# KiCad board Marble_Tiny.kicad_pcb (continued)
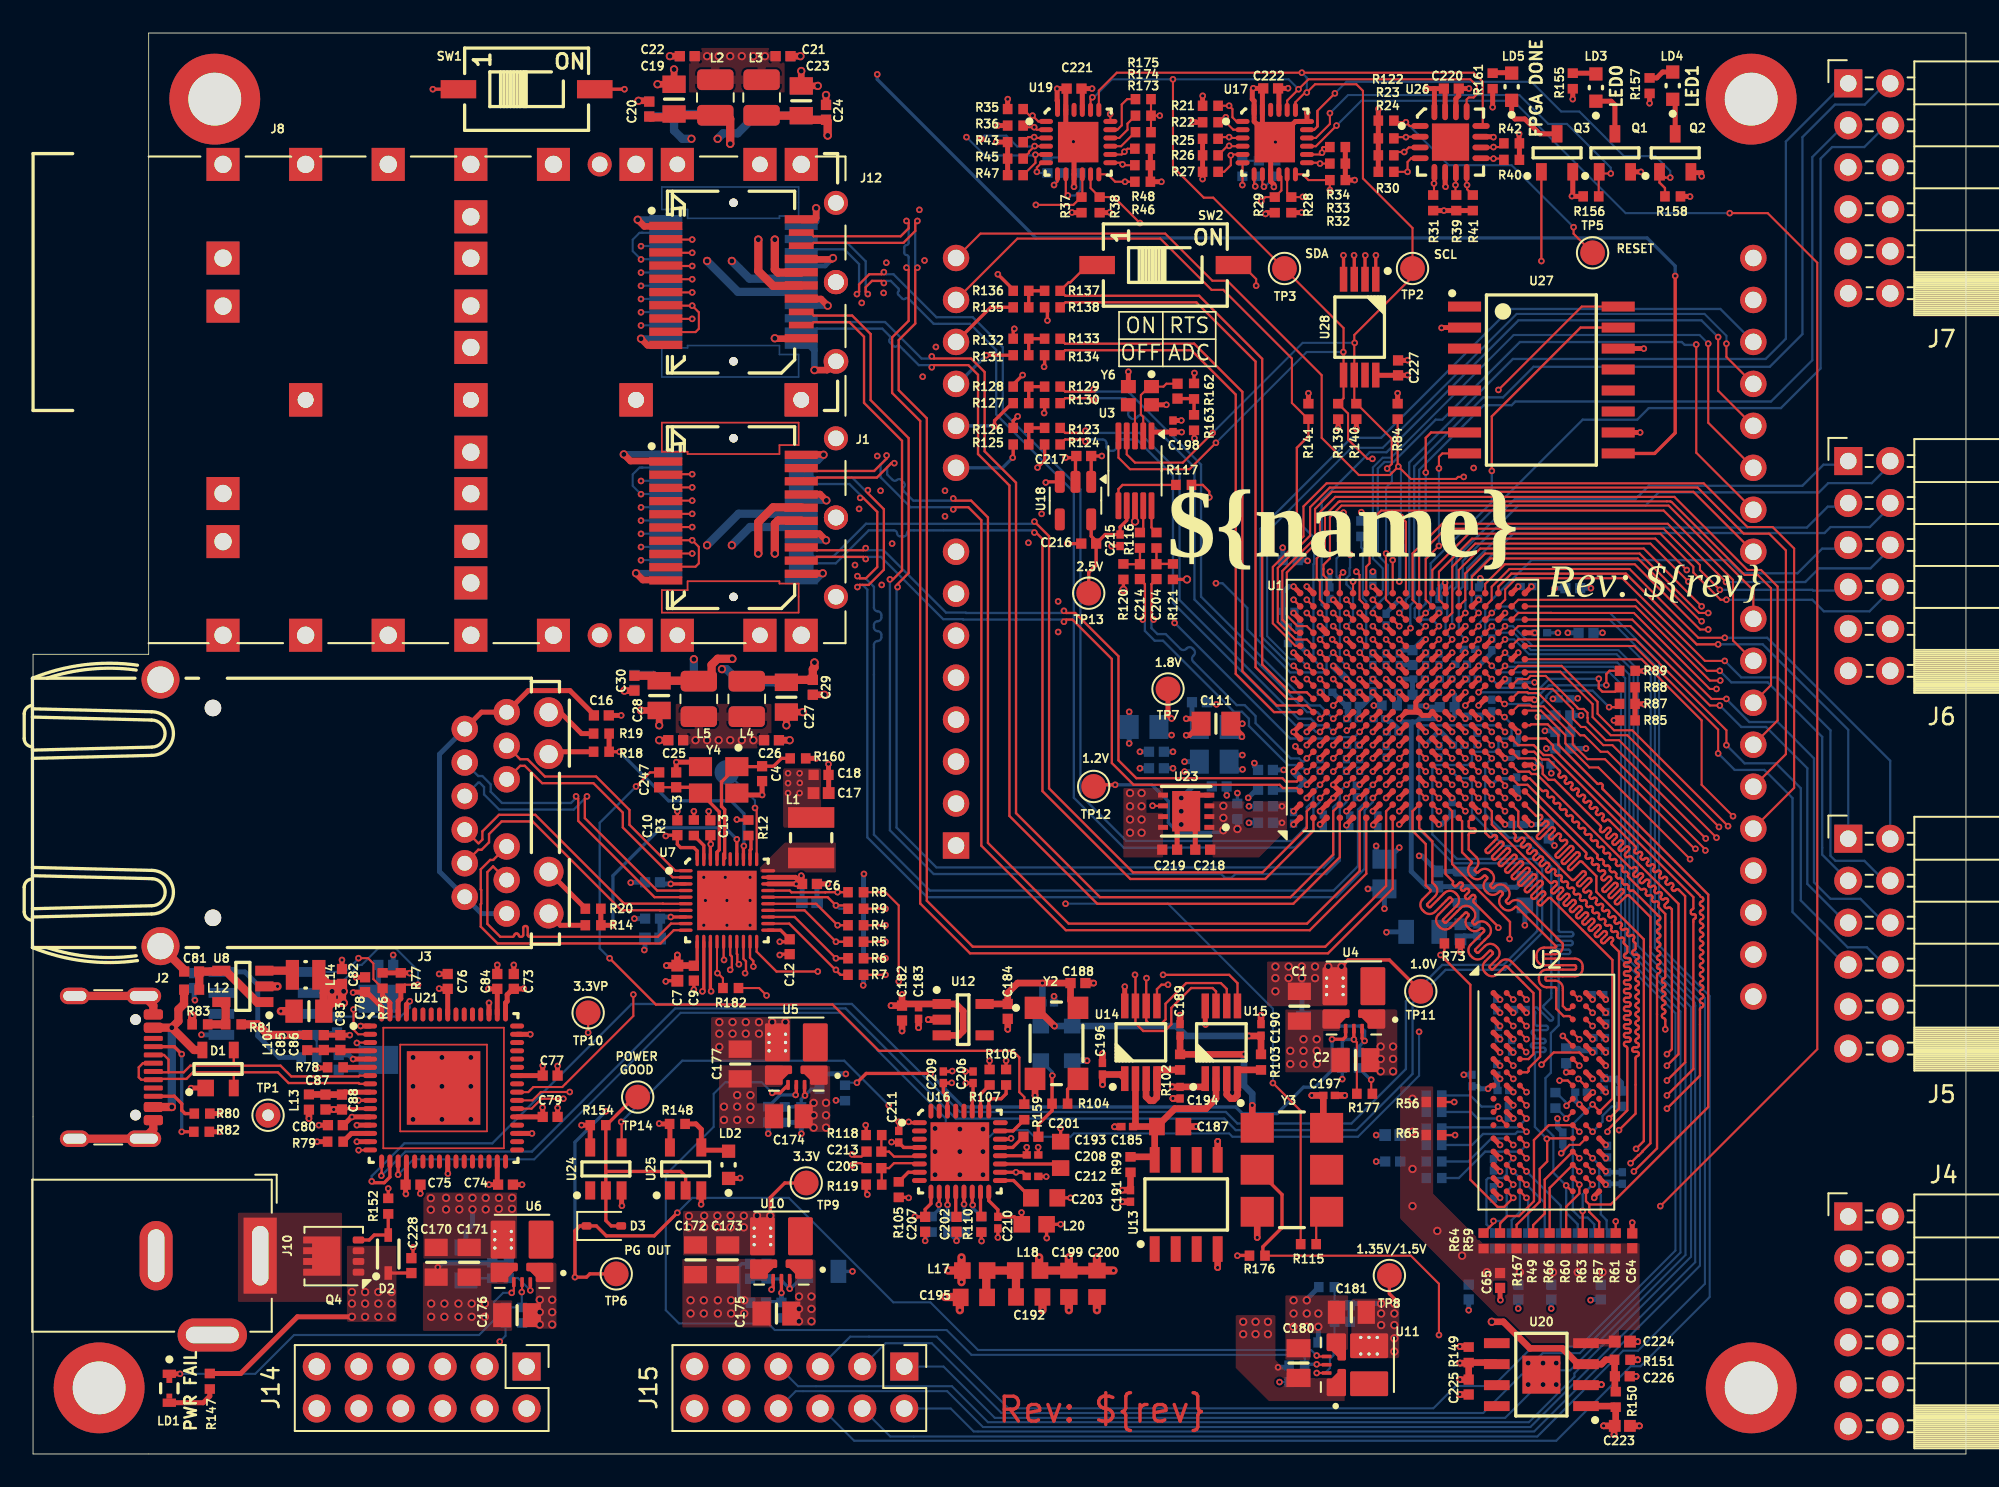
[diagram p0: board, top side]
## Routing (per net, layer and track width the routed paths; a pad name or vN(x,y) marks a point on that pad's centre or on a via; arc(x,y) is an arc through that point) (continued)
  In2.Cu w0.14: v1(95.4,20.3) 95,19.9 91.6,19.9 v1(90.4,18.7)
  Bottom w0.14: v1(90.4,18.7) 90,18.3 87.9,18.3 86.3,16.7 R53.1
DDR3_CAS: length 44
  Top w0.14: U1.T2 v1(89.1,38.9) ; U2.K3 v1(90.4,20.3)
  In5.Cu w0.13: v1(90.4,20.3) U2.K3 90,21.26 90.24,21.49 90.56,21.49 91.4,22.33 91.4,22.4 92.4,23.4 92.46,23.4 93.99,24.94 93.99,26.85 94.24,27.09 94.56,27.09 94.79,27.32 94.79,28.5 arc(94.82,28.57) 94.9,28.6 95.31,28.6 arc(95.38,28.63) 95.41,28.7 95.41,28.75 arc(95.38,28.83) 95.31,28.86 94.43,28.86 arc(94.35,28.89) 94.32,28.96 94.32,29.01 arc(94.35,29.08) 94.43,29.11 95.31,29.11 arc(95.38,29.14) 95.41,29.21 95.41,29.27 arc(95.38,29.34) 95.31,29.37 94.43,29.37 arc(94.35,29.4) 94.32,29.47 94.32,29.52 arc(94.35,29.6) 94.43,29.63 95.31,29.63 arc(95.38,29.66) 95.41,29.73 95.41,29.78 arc(95.38,29.85) 95.31,29.88 94.43,29.88 arc(94.35,29.91) 94.32,29.99 94.32,30.04 arc(94.35,30.11) 94.43,30.14 95.31,30.14 arc(95.38,30.17) 95.41,30.24 95.41,30.29 arc(95.38,30.37) 95.31,30.4 94.9,30.4 arc(94.82,30.43) 94.79,30.5 94.79,30.81 94.54,31.06 arc(94.51,31.13) 94.54,31.21 94.62,31.29 arc(94.65,31.36) 94.62,31.43 94.58,31.47 arc(94.51,31.5) 94.44,31.47 94.06,31.09 arc(93.99,31.06) 93.92,31.09 93.88,31.13 arc(93.85,31.2) 93.88,31.27 94.26,31.65 arc(94.29,31.72) 94.26,31.8 94.22,31.83 arc(94.15,31.86) 94.07,31.83 93.7,31.46 arc(93.62,31.43) 93.55,31.46 93.52,31.49 arc(93.49,31.56) 93.52,31.64 93.89,32.01 arc(93.92,32.09) 93.89,32.16 93.86,32.2 arc(93.78,32.23) 93.71,32.2 93.33,31.82 arc(93.26,31.79) 93.19,31.82 93.15,31.85 arc(93.12,31.93) 93.15,32 93.53,32.38 arc(93.56,32.45) 93.53,32.52 93.49,32.56 arc(93.42,32.59) 93.35,32.56 92.97,32.18 arc(92.9,32.15) 92.83,32.18 92.79,32.22 arc(92.76,32.29) 92.79,32.36 93.17,32.74 arc(93.2,32.81) 93.17,32.89 93.13,32.92 arc(93.06,32.95) 92.98,32.92 92.61,32.55 arc(92.53,32.52) 92.46,32.55 92.43,32.58 arc(92.4,32.65) 92.43,32.73 92.77,33.07 arc(92.8,33.14) 92.77,33.21 92.73,33.25 arc(92.66,33.28) 92.58,33.25 92.54,33.21 arc(92.47,33.18) 92.39,33.21 89.7,35.9 89.7,38.3 v1(89.1,38.9)
  Bottom w0.14: R69.1 85.34,19.77 89.87,19.77 v1(90.4,20.3)
DDR3_CE: length 42.3
  Top w0.14: U2.L2 88.8,20.3 v1(88.75,20.3) ; U1.P5 v1(87.5,41.3)
  In5.Cu w0.13: v1(87.5,41.3) 87.64,41.3 88.04,40.9 88.46,40.9 88.7,40.66 88.7,35.9 88.91,35.69 arc(88.98,35.66) 89.06,35.69 89.21,35.84 arc(89.28,35.87) 89.35,35.84 89.39,35.8 arc(89.42,35.73) 89.39,35.66 88.77,35.04 arc(88.74,34.96) 88.77,34.89 88.8,34.85 arc(88.88,34.82) 88.95,34.85 89.57,35.47 arc(89.64,35.5) 89.71,35.47 89.75,35.44 arc(89.78,35.36) 89.75,35.29 89.13,34.67 arc(89.1,34.6) 89.13,34.53 89.17,34.49 arc(89.24,34.46) 89.31,34.49 89.93,35.11 arc(90,35.14) 90.08,35.11 90.11,35.07 arc(90.14,35) 90.11,34.93 89.5,34.31 arc(89.46,34.24) 89.5,34.16 89.53,34.13 arc(89.6,34.1) 89.68,34.13 90.3,34.75 arc(90.37,34.78) 90.44,34.75 90.48,34.71 arc(90.51,34.64) 90.48,34.56 89.86,33.95 arc(89.83,33.87) 89.86,33.8 89.89,33.76 arc(89.97,33.73) 90.04,33.76 90.66,34.38 arc(90.73,34.41) 90.8,34.38 90.84,34.35 arc(90.87,34.27) 90.84,34.2 90.22,33.58 arc(90.19,33.51) 90.22,33.44 90.26,33.4 arc(90.33,33.37) 90.4,33.4 91.02,34.02 arc(91.09,34.05) 91.17,34.02 91.2,33.98 arc(91.23,33.91) 91.2,33.84 91.06,33.69 arc(91.03,33.62) 91.06,33.54 94.01,30.59 94.01,27.41 93,26.4 93,24.7 90.59,22.29 89.44,22.29 89.06,21.92 89.06,20.62 v1(88.75,20.3)
  Bottom w0.14: R55.1 87.05,20.7 87.45,20.3 87.45,20.3 v1(88.75,20.3)
DDR3_CKE0: length 49.1
  Top w0.14: v1(94.4,21.16) 94.8,20.76 U2.K9 ; U2.K9 95.6,21.5 95.6,29.9 91.87,33.63 arc(91.79,33.66) 91.71,33.63 91.31,33.23 arc(91.23,33.19) 91.15,33.23 91.11,33.27 arc(91.08,33.34) 91.11,33.42 91.51,33.83 arc(91.55,33.91) 91.51,33.99 91.47,34.03 arc(91.4,34.06) 91.32,34.03 90.91,33.62 arc(90.83,33.59) 90.75,33.62 90.71,33.66 arc(90.68,33.74) 90.71,33.82 91.36,34.47 arc(91.39,34.55) 91.36,34.63 91.32,34.67 arc(91.24,34.7) 91.16,34.67 90.52,34.02 arc(90.44,33.98) 90.36,34.02 90.32,34.06 arc(90.29,34.14) 90.32,34.22 90.97,34.86 arc(91,34.94) 90.97,35.02 90.93,35.06 arc(90.85,35.09) 90.77,35.06 90.12,34.41 arc(90.04,34.38) 89.96,34.41 89.92,34.45 arc(89.89,34.53) 89.92,34.61 90.57,35.26 arc(90.6,35.34) 90.57,35.42 90.53,35.46 arc(90.45,35.49) 90.37,35.46 89.72,34.81 arc(89.65,34.78) 89.57,34.81 89.53,34.85 arc(89.49,34.93) 89.53,35.01 90.17,35.66 arc(90.21,35.73) 90.17,35.81 90.13,35.85 arc(90.06,35.89) 89.98,35.85 89.33,35.21 arc(89.25,35.17) 89.17,35.21 89.13,35.25 arc(89.1,35.32) 89.13,35.4 89.78,36.05 arc(89.81,36.13) 89.78,36.21 89.74,36.25 arc(89.66,36.28) 89.58,36.25 88.93,35.6 arc(88.85,35.57) 88.77,35.6 88.73,35.64 arc(88.7,35.72) 88.73,35.8 89.38,36.45 arc(89.41,36.53) 89.38,36.61 89.34,36.65 arc(89.26,36.68) 89.18,36.65 88.54,36 arc(88.46,35.96) 88.38,36 88.34,36.04 arc(88.31,36.12) 88.34,36.2 88.99,36.84 arc(89.02,36.92) 88.99,37 88.95,37.04 arc(88.87,37.07) 88.79,37.04 88.14,36.39 arc(88.06,36.36) 87.98,36.39 87.94,36.43 arc(87.91,36.51) 87.94,36.59 88.59,37.24 arc(88.62,37.32) 88.59,37.4 88.55,37.44 arc(88.47,37.47) 88.39,37.44 88.31,37.35 arc(88.23,37.32) 88.15,37.35 87.9,37.6 U1.R1 ; U2.K9 94.8,20.75
  Bottom w0.14: v1(94.4,21.16) 93.2,19.96 93.2,14.74 93.64,14.3 94.09,14.3 94.5,13.9 R54.1
DDR3_CLK_N: length 39.1
  Top w0.14: U2.K7 v1(92.8,20.3) ; U1.T5 v1(89.1,41.3)
  In2.Cu w0.12: v1(89.1,41.3) 90.05,41.3 91.85,39.5 arc(91.98,39.2) 91.85,38.9 91.57,38.62 arc(91.55,38.58) 91.57,38.53 91.65,38.45 arc(91.7,38.43) 91.74,38.45 92.03,38.73 arc(92.33,38.85) 92.62,38.73 92.71,38.64 arc(92.83,38.35) 92.71,38.05 92.5,37.83 arc(92.48,37.79) 92.5,37.74 92.58,37.66 arc(92.63,37.64) 92.67,37.66 92.88,37.87 arc(93.18,38) 93.48,37.87 93.57,37.79 arc(93.69,37.49) 93.57,37.19 93.21,36.83 arc(93.19,36.79) 93.21,36.74 93.3,36.66 arc(93.34,36.64) 93.39,36.66 93.74,37.01 arc(94.04,37.14) 94.34,37.01 94.43,36.93 arc(94.55,36.63) 94.43,36.33 94.07,35.97 arc(94.05,35.93) 94.07,35.89 94.16,35.8 arc(94.2,35.78) 94.25,35.8 94.6,36.15 arc(94.9,36.28) 95.2,36.15 96.57,34.78 96.57,31.93 arc(96.45,31.64) 96.17,31.53 95.46,31.53 arc(95.42,31.51) 95.4,31.46 95.4,31.34 arc(95.42,31.3) 95.46,31.28 96.17,31.28 arc(96.45,31.16) 96.57,30.87 96.57,30.76 arc(96.45,30.47) 96.17,30.35 95.46,30.35 arc(95.42,30.33) 95.4,30.29 95.4,30.17 arc(95.42,30.12) 95.46,30.1 96.17,30.1 arc(96.45,29.99) 96.57,29.7 96.57,22.03 94.97,20.43 93.29,20.43 93.19,20.53 93.03,20.53 v1(92.8,20.3)
  Bottom w0.14: v1(92.8,20.3) 92.8,20.34 92.21,20.93 R168.1
DDR3_CLK_P: length 39.2
  Top w0.14: v1(92.83,21.07) 92.83,21.13 U2.J7 ; U1.R5 v1(88.3,41.3)
  In2.Cu w0.12: v1(88.3,41.3) 88.66,40.94 88.9,40.94 88.94,40.9 89.26,40.9 89.3,40.94 89.91,40.94 91.6,39.25 arc(91.62,39.2) 91.6,39.16 91.31,38.87 arc(91.19,38.58) 91.31,38.28 91.4,38.19 arc(91.7,38.07) 92,38.19 92.28,38.48 arc(92.33,38.49) 92.37,38.48 92.46,38.39 arc(92.47,38.35) 92.46,38.3 92.24,38.09 arc(92.12,37.79) 92.24,37.49 92.33,37.4 arc(92.63,37.28) 92.93,37.4 93.14,37.62 arc(93.18,37.64) 93.23,37.62 93.31,37.53 arc(93.33,37.49) 93.31,37.44 92.96,37.09 arc(92.83,36.79) 92.96,36.49 93.04,36.4 arc(93.34,36.28) 93.64,36.4 94,36.76 arc(94.04,36.78) 94.09,36.76 94.17,36.67 arc(94.19,36.63) 94.17,36.58 93.82,36.23 arc(93.69,35.93) 93.82,35.63 93.9,35.54 arc(94.2,35.42) 94.5,35.54 94.86,35.9 arc(94.9,35.92) 94.95,35.9 96.23,34.62 96.23,31.93 arc(96.21,31.88) 96.17,31.87 95.46,31.87 arc(95.18,31.75) 95.06,31.46 95.06,31.34 arc(95.18,31.06) 95.46,30.94 96.17,30.94 arc(96.21,30.92) 96.23,30.87 96.23,30.76 arc(96.21,30.71) 96.17,30.69 95.46,30.69 arc(95.18,30.57) 95.06,30.29 95.06,30.17 arc(95.18,29.88) 95.46,29.76 96.17,29.76 arc(96.21,29.75) 96.23,29.7 96.23,22.17 95.12,21.06 arc(95.06,21.04) 95,21.06 arc(94.94,21.08) 94.88,21.06 94.82,21.01 arc(94.8,20.95) 94.82,20.89 arc(94.85,20.83) 94.82,20.77 93.43,20.77 93.33,20.87 93.03,20.87 v1(92.83,21.07)
  Bottom w0.14: 92.2,21.87 92.83,21.24 v1(92.83,21.07)
DDR3_D0: length 28.5
  Top w0.14: v1(90.38,24.32) U2.E3 ; U1.K3 v1(84.3,39.7)
  In2.Cu w0.13: v1(84.3,39.7) 84.3,37.38 84.7,36.98 84.7,32.2 85.05,31.85 arc(85.08,31.77) 85.05,31.7 84.96,31.61 arc(84.93,31.54) 84.96,31.47 85,31.43 arc(85.07,31.4) 85.15,31.43 85.44,31.72 arc(85.51,31.75) 85.58,31.72 85.62,31.68 arc(85.65,31.61) 85.62,31.54 85.33,31.25 arc(85.3,31.17) 85.33,31.1 85.36,31.07 arc(85.44,31.04) 85.51,31.07 85.8,31.36 arc(85.87,31.39) 85.94,31.36 85.98,31.32 arc(86.01,31.25) 85.98,31.17 85.73,30.92 arc(85.7,30.85) 85.73,30.77 85.76,30.74 arc(85.84,30.71) 85.91,30.74 85.96,30.79 arc(86.04,30.82) 86.11,30.79 86.56,30.79 86.79,30.56 86.79,30.11 86.91,29.99 arc(86.98,29.96) 87.06,29.99 87.11,30.04 arc(87.18,30.07) 87.26,30.04 87.29,30.01 arc(87.32,29.93) 87.29,29.86 86.83,29.4 arc(86.8,29.32) 86.83,29.25 86.86,29.21 arc(86.93,29.18) 87.01,29.21 87.47,29.68 arc(87.55,29.71) 87.62,29.68 87.66,29.64 arc(87.69,29.57) 87.66,29.5 87.19,29.03 arc(87.16,28.96) 87.19,28.89 87.23,28.85 arc(87.3,28.82) 87.37,28.85 87.8,29.28 arc(87.87,29.31) 87.95,29.28 87.98,29.25 arc(88.01,29.17) 87.98,29.1 87.55,28.67 arc(87.52,28.6) 87.55,28.52 87.59,28.49 arc(87.66,28.46) 87.73,28.49 88,28.75 arc(88.07,28.78) 88.15,28.75 88.18,28.72 arc(88.21,28.64) 88.18,28.57 87.92,28.31 arc(87.89,28.23) 87.92,28.16 87.95,28.12 arc(88.03,28.09) 88.1,28.12 88.36,28.39 arc(88.44,28.42) 88.51,28.39 88.55,28.35 arc(88.58,28.28) 88.55,28.21 88.28,27.94 arc(88.25,27.87) 88.28,27.8 88.32,27.76 arc(88.39,27.73) 88.46,27.76 88.73,28.03 arc(88.8,28.06) 88.87,28.03 89.19,27.71 89.19,24.95 89.45,24.69 90.01,24.69 v1(90.38,24.32)
DDR3_D1: length 28.5
  Top w0.14: U2.F7 v1(93.6,23.5) ; U1.L4 v1(85.1,40.5)
  In2.Cu w0.13: v1(93.6,23.5) 92.08,25.02 92.08,27.22 91.01,28.29 arc(90.95,28.31) 90.88,28.29 arc(90.81,28.26) 90.74,28.29 90.7,28.33 arc(90.67,28.4) 90.7,28.47 90.82,28.59 arc(90.84,28.64) 90.82,28.69 90.74,28.77 arc(90.68,28.79) 90.63,28.77 90.51,28.65 arc(90.44,28.62) 90.38,28.65 90.33,28.69 arc(90.3,28.76) 90.33,28.83 90.45,28.95 arc(90.47,29) 90.45,29.05 90.37,29.13 arc(90.32,29.15) 90.27,29.13 90.15,29.01 arc(90.08,28.98) 90.01,29.01 89.97,29.06 arc(89.94,29.12) 89.97,29.19 90.09,29.31 arc(90.11,29.37) 90.09,29.42 90.01,29.5 arc(89.96,29.52) 89.91,29.5 89.79,29.38 arc(89.72,29.35) 89.65,29.38 89.6,29.42 arc(89.58,29.49) 89.6,29.56 89.72,29.68 arc(89.75,29.73) 89.72,29.78 89.65,29.86 arc(89.59,29.88) 89.54,29.86 89.42,29.74 arc(89.35,29.71) 89.28,29.74 89.24,29.78 arc(89.21,29.85) 89.24,29.92 89.36,30.04 arc(89.38,30.09) 89.36,30.14 89.28,30.22 arc(89.23,30.24) 89.18,30.22 89.06,30.1 arc(88.99,30.07) 88.92,30.1 88.88,30.15 arc(88.85,30.22) 88.88,30.28 89,30.4 arc(89.02,30.46) 89,30.51 88.92,30.59 arc(88.87,30.61) 88.82,30.59 88.7,30.47 arc(88.63,30.44) 88.56,30.47 88.51,30.51 arc(88.49,30.58) 88.51,30.65 88.63,30.77 arc(88.66,30.82) 88.63,30.87 88.56,30.95 arc(88.5,30.97) 88.45,30.95 88.33,30.83 arc(88.26,30.8) 88.19,30.83 88.15,30.87 arc(88.12,30.94) 88.15,31.01 88.27,31.13 arc(88.29,31.18) 88.27,31.23 88.19,31.31 arc(88.14,31.33) 88.09,31.31 87.97,31.19 arc(87.9,31.16) 87.83,31.19 87.79,31.24 arc(87.76,31.31) 87.79,31.37 87.91,31.5 arc(87.93,31.55) 87.91,31.6 87.83,31.68 arc(87.78,31.7) 87.73,31.68 87.61,31.56 arc(87.54,31.53) 87.47,31.56 87.42,31.6 arc(87.4,31.67) 87.42,31.74 87.54,31.86 arc(87.57,31.91) 87.54,31.96 87.47,32.04 arc(87.41,32.06) 87.36,32.04 87.24,31.92 arc(87.17,31.89) 87.1,31.92 87.06,31.96 arc(87.03,32.03) 87.06,32.1 87.18,32.22 arc(87.2,32.27) 87.18,32.32 87.1,32.4 arc(87.05,32.42) 87,32.4 86.88,32.28 arc(86.81,32.25) 86.74,32.28 86.7,32.33 arc(86.67,32.4) 86.7,32.46 86.82,32.59 arc(86.84,32.64) 86.82,32.69 86.74,32.77 arc(86.69,32.79) 86.64,32.77 86.52,32.65 arc(86.45,32.62) 86.38,32.65 86.33,32.69 arc(86.3,32.76) 86.33,32.83 86.45,32.95 arc(86.47,33) 86.45,33.05 86.37,33.13 arc(86.32,33.15) 86.27,33.13 arc(86.22,33.11) 86.17,33.13 85.9,33.4 85.9,38.8 85.5,39.2 85.5,40.1 v1(85.1,40.5)
DDR3_D2: length 28.5
  Top w0.14: U2.F2 v1(89.6,23.5) ; U1.K5 v1(84.3,41.3)
  In2.Cu w0.13: v1(84.3,41.3) 83.9,40.9 83.9,36.94 84.3,36.54 84.3,33.47 arc(84.27,33.4) 84.2,33.37 84.16,33.37 arc(84.09,33.34) 84.06,33.26 84.06,33.21 arc(84.09,33.14) 84.16,33.11 84.2,33.11 arc(84.27,33.08) 84.3,33.01 84.3,32.96 arc(84.27,32.88) 84.2,32.85 84.16,32.85 arc(84.09,32.82) 84.06,32.75 84.06,32.7 arc(84.09,32.63) 84.16,32.6 84.2,32.6 arc(84.27,32.57) 84.3,32.49 84.3,32.44 arc(84.27,32.37) 84.2,32.34 84.16,32.34 arc(84.09,32.31) 84.06,32.24 84.06,32.18 arc(84.09,32.11) 84.16,32.08 84.37,32.08 arc(84.41,32.06) 84.43,32.02 84.43,31.88 arc(84.41,31.84) 84.37,31.82 arc(84.32,31.8) 84.3,31.75 84.59,31.46 arc(84.62,31.39) 84.59,31.33 arc(84.57,31.27) 84.59,31.2 84.65,31.15 arc(84.71,31.12) 84.77,31.15 arc(84.84,31.17) 84.9,31.15 84.96,31.09 arc(84.98,31.03) 84.96,30.97 arc(84.93,30.9) 84.96,30.84 85.01,30.79 arc(85.07,30.76) 85.14,30.79 arc(85.2,30.81) 85.26,30.79 85.74,30.31 arc(85.77,30.24) 85.74,30.17 85.36,29.79 arc(85.33,29.72) 85.36,29.65 85.4,29.61 arc(85.47,29.58) 85.54,29.61 85.92,29.99 arc(85.99,30.02) 86.06,29.99 86.06,29.56 86.14,29.48 arc(86.22,29.45) 86.29,29.48 86.31,29.5 arc(86.38,29.53) 86.46,29.5 86.49,29.47 arc(86.52,29.4) 86.49,29.32 86.16,28.99 arc(86.13,28.92) 86.16,28.84 86.2,28.81 arc(86.27,28.78) 86.34,28.81 86.51,28.97 arc(86.58,29) 86.65,28.97 86.69,28.94 arc(86.72,28.86) 86.69,28.79 86.52,28.63 arc(86.49,28.55) 86.52,28.48 86.56,28.44 arc(86.63,28.41) 86.71,28.44 86.87,28.61 arc(86.94,28.64) 87.02,28.61 87.05,28.57 arc(87.08,28.5) 87.05,28.43 86.89,28.26 arc(86.86,28.19) 86.89,28.12 86.92,28.08 arc(87,28.05) 87.07,28.08 87.23,28.25 arc(87.31,28.28) 87.38,28.25 87.42,28.21 arc(87.45,28.14) 87.42,28.06 87.25,27.9 arc(87.22,27.83) 87.25,27.75 87.29,27.72 arc(87.36,27.69) 87.43,27.72 87.6,27.88 arc(87.67,27.91) 87.74,27.88 87.78,27.85 arc(87.81,27.77) 87.78,27.7 87.61,27.54 arc(87.58,27.46) 87.61,27.39 87.65,27.35 arc(87.72,27.32) 87.8,27.35 87.96,27.52 arc(88.03,27.55) 88.11,27.52 88.3,27.32 88.3,24.2 88.61,23.89 89.21,23.89 v1(89.6,23.5)
DDR3_D3: length 27.1
  Top w0.14: U2.F8 93.6,24.3 92.04,24.3 v1(91.31,23.56) ; U1.K6 v1(84.3,42.1)
  In5.Cu w0.13: v1(91.31,23.56) 90.98,23.89 88.65,23.89 86.5,26.04 86.5,29.95 86.79,30.24 86.79,30.56 86.5,30.85 86.5,31.5 84.39,33.61 84.39,36.56 83.9,37.05 83.9,41.7 v1(84.3,42.1)
DDR3_D4: length 28.5
  Top w0.14: U2.H3 v1(90.4,21.9) ; U1.J4 v1(82.7,40.5)
  In2.Cu w0.13: v1(90.4,21.9) U2.H3 88.6,22.3 87.5,23.4 87.5,26.5 84.56,29.44 arc(84.54,29.49) 84.56,29.54 arc(84.58,29.6) 84.56,29.65 84.49,29.73 arc(84.43,29.75) 84.38,29.73 83.69,29.04 arc(83.62,29.01) 83.55,29.04 83.51,29.07 arc(83.48,29.15) 83.51,29.22 84.2,29.91 arc(84.22,29.96) 84.2,30.01 84.12,30.09 arc(84.07,30.11) 84.02,30.09 83.33,29.4 arc(83.26,29.37) 83.18,29.4 83.15,29.44 arc(83.12,29.51) 83.15,29.58 83.83,30.27 arc(83.86,30.32) 83.83,30.38 83.76,30.45 arc(83.71,30.47) 83.65,30.45 arc(83.6,30.43) 83.55,30.45 82.3,31.7 82.3,40.1 v1(82.7,40.5)
DDR3_D5: length 28.5
  Top w0.14: U1.L2 v1(85.1,38.9) ; v1(93.54,22.7) 93.94,22.3 U2.H8
  In2.Cu w0.13: v1(93.54,22.7) 93.54,22.99 91.5,25.03 91.5,26.07 arc(91.47,26.15) 91.4,26.18 91.32,26.18 arc(91.25,26.21) 91.22,26.28 91.22,26.33 arc(91.25,26.4) 91.32,26.43 91.68,26.43 arc(91.75,26.46) 91.78,26.54 91.78,26.59 arc(91.75,26.66) 91.68,26.69 91.6,26.69 arc(91.53,26.72) 91.5,26.79 91.5,27.1 91.29,27.31 arc(91.22,27.34) 91.14,27.31 91.02,27.18 arc(90.95,27.15) 90.87,27.18 90.84,27.22 arc(90.81,27.29) 90.84,27.37 91.1,27.63 arc(91.12,27.69) 91.1,27.75 91.03,27.82 arc(90.97,27.84) 90.91,27.82 arc(90.85,27.79) 90.78,27.82 90.53,28.07 arc(90.46,28.1) 90.38,28.07 90.29,27.98 arc(90.22,27.95) 90.15,27.98 90.11,28.02 arc(90.08,28.09) 90.11,28.16 90.2,28.25 arc(90.23,28.32) 90.2,28.4 90.17,28.43 arc(90.09,28.46) 90.02,28.43 89.93,28.34 arc(89.86,28.31) 89.78,28.34 89.75,28.38 arc(89.72,28.45) 89.75,28.52 89.84,28.62 arc(89.87,28.69) 89.84,28.76 89.8,28.8 arc(89.73,28.83) 89.66,28.8 89.57,28.71 arc(89.49,28.68) 89.42,28.71 89.38,28.74 arc(89.35,28.82) 89.38,28.89 89.48,28.98 arc(89.51,29.05) 89.48,29.12 89.44,29.16 arc(89.37,29.19) 89.29,29.16 89.2,29.07 arc(89.13,29.04) 89.06,29.07 89.02,29.11 arc(88.99,29.18) 89.02,29.25 89.11,29.34 arc(89.14,29.42) 89.11,29.49 89.08,29.52 arc(89,29.55) 88.93,29.52 88.84,29.43 arc(88.77,29.4) 88.69,29.43 88.66,29.47 arc(88.63,29.54) 88.66,29.61 88.75,29.71 arc(88.78,29.78) 88.75,29.85 88.71,29.89 arc(88.64,29.92) 88.57,29.89 88.48,29.8 arc(88.4,29.77) 88.33,29.8 88.29,29.83 arc(88.26,29.91) 88.29,29.98 88.39,30.07 arc(88.42,30.14) 88.39,30.21 88.35,30.25 arc(88.28,30.28) 88.2,30.25 88.11,30.16 arc(88.04,30.13) 87.97,30.16 87.93,30.2 arc(87.9,30.27) 87.93,30.34 88.02,30.43 arc(88.05,30.51) 88.02,30.58 87.99,30.61 arc(87.91,30.64) 87.84,30.61 87.75,30.52 arc(87.68,30.49) 87.6,30.52 87.57,30.56 arc(87.54,30.63) 87.57,30.71 87.66,30.8 arc(87.69,30.87) 87.66,30.94 87.62,30.98 arc(87.55,31.01) 87.48,30.98 87.39,30.89 arc(87.31,30.86) 87.24,30.89 87.2,30.92 arc(87.17,31) 87.2,31.07 87.29,31.16 arc(87.33,31.23) 87.29,31.31 87.26,31.34 arc(87.19,31.37) 87.11,31.34 87.02,31.25 arc(86.95,31.22) 86.88,31.25 86.84,31.29 arc(86.81,31.36) 86.84,31.43 86.93,31.52 arc(86.96,31.6) 86.93,31.67 86.9,31.7 arc(86.82,31.73) 86.75,31.7 86.66,31.61 arc(86.59,31.58) 86.51,31.61 86.48,31.65 arc(86.45,31.72) 86.48,31.8 86.57,31.89 arc(86.6,31.96) 86.57,32.03 86.53,32.07 arc(86.46,32.1) 86.39,32.07 86.3,31.98 arc(86.22,31.95) 86.15,31.98 86.11,32.01 arc(86.08,32.09) 86.11,32.16 86.2,32.25 arc(86.23,32.32) 86.2,32.4 85.52,33.08 85.52,38.48 v1(85.1,38.9)
DDR3_D6: length 28.5
  Top w0.14: U2.G2 v1(89.6,22.7) ; U1.J5 v1(82.7,41.3)
  In2.Cu w0.13: v1(82.7,41.3) 83.1,40.9 83.1,35.66 arc(83.13,35.59) 83.2,35.56 83.35,35.56 arc(83.42,35.53) 83.45,35.46 83.45,35.41 arc(83.42,35.34) 83.35,35.31 82.75,35.31 arc(82.68,35.28) 82.65,35.2 82.65,35.15 arc(82.68,35.08) 82.75,35.05 83.35,35.05 arc(83.42,35.02) 83.45,34.95 83.45,34.89 arc(83.42,34.82) 83.35,34.79 82.75,34.79 arc(82.68,34.76) 82.65,34.69 82.65,34.64 arc(82.68,34.56) 82.75,34.53 83.35,34.53 arc(83.42,34.5) 83.45,34.43 83.45,34.38 arc(83.42,34.31) 83.35,34.28 82.75,34.28 arc(82.68,34.25) 82.65,34.17 82.65,34.12 arc(82.68,34.05) 82.75,34.02 83.35,34.02 arc(83.42,33.99) 83.45,33.92 83.45,33.87 arc(83.42,33.79) 83.35,33.76 82.75,33.76 arc(82.68,33.73) 82.65,33.66 82.65,33.61 arc(82.68,33.54) 82.75,33.51 83,33.51 arc(83.07,33.48) 83.1,33.4 83.1,31.5 87.9,26.7 87.9,23.84 88.64,23.11 89.19,23.11 v1(89.6,22.7)
DDR3_D7: length 28.5
  Top w0.14: U2.H7 92.9,22.6 v1(92.4,22.6) ; U1.L3 v1(85.1,39.7)
  In2.Cu w0.13: v1(85.1,39.7) 84.68,39.28 84.68,37.92 85.16,37.44 85.16,32.55 88.37,29.35 arc(88.4,29.28) 88.37,29.21 88.31,29.15 arc(88.28,29.08) 88.31,29.01 88.35,28.97 arc(88.42,28.94) 88.49,28.97 88.55,29.03 arc(88.62,29.06) 88.69,29.03 88.73,28.99 arc(88.76,28.92) 88.73,28.84 88.67,28.79 arc(88.64,28.71) 88.67,28.64 88.71,28.61 arc(88.78,28.58) 88.85,28.61 88.91,28.66 arc(88.98,28.69) 89.06,28.66 89.09,28.63 arc(89.12,28.55) 89.09,28.48 89.04,28.42 arc(89.01,28.35) 89.04,28.28 89.07,28.24 arc(89.14,28.21) 89.22,28.24 89.27,28.3 arc(89.35,28.33) 89.42,28.3 89.48,28.24 arc(89.5,28.18) 89.48,28.12 arc(89.45,28.05) 89.48,27.99 89.54,27.93 arc(89.6,27.91) 89.66,27.93 arc(89.72,27.96) 89.78,27.93 90,27.72 90,27.33 90.24,27.09 90.56,27.09 90.94,26.72 90.94,26.28 arc(90.92,26.24) 90.87,26.22 arc(90.83,26.2) 90.81,26.15 90.81,26.03 arc(90.83,25.98) 90.87,25.96 arc(90.92,25.94) 90.94,25.9 90.94,25.84 arc(90.97,25.77) 91.04,25.74 91.12,25.74 arc(91.19,25.71) 91.22,25.64 91.22,25.59 arc(91.19,25.52) 91.12,25.49 90.87,25.49 arc(90.83,25.47) 90.81,25.42 90.81,25.29 arc(90.83,25.25) 90.87,25.23 91.12,25.23 arc(91.19,25.2) 91.22,25.13 91.22,25.07 arc(91.19,25) 91.12,24.97 91.04,24.97 arc(90.97,24.94) 90.94,24.87 90.94,24.56 91.06,24.44 arc(91.09,24.37) 91.06,24.3 90.51,23.75 arc(90.47,23.67) 90.51,23.6 90.54,23.56 arc(90.61,23.53) 90.69,23.56 91.55,24.42 arc(91.62,24.45) 91.69,24.42 91.73,24.39 arc(91.76,24.32) 91.73,24.24 91.57,24.08 arc(91.54,24.01) 91.57,23.93 91.6,23.9 arc(91.67,23.87) 91.75,23.9 91.91,24.06 arc(91.98,24.09) 92.06,24.06 92.09,24.02 arc(92.12,23.95) 92.09,23.88 91.73,23.51 arc(91.7,23.44) 91.73,23.37 91.76,23.33 arc(91.84,23.3) 91.91,23.33 91.97,23.39 arc(92.04,23.42) 92.11,23.39 92.4,23.1 v1(92.4,22.6)
DDR3_D8: length 22.5
  Top w0.14: U2.D7 v1(93.6,25.1) ; U1.N3 v1(86.7,39.7)
  In2.Cu w0.13: v1(86.7,39.7) 86.3,39.3 86.3,33.6 90.32,29.58 arc(90.39,29.55) 90.47,29.58 90.68,29.79 arc(90.76,29.82) 90.83,29.79 90.86,29.76 arc(90.89,29.68) 90.86,29.61 90.65,29.4 arc(90.62,29.32) 90.65,29.25 90.69,29.21 arc(90.76,29.18) 90.83,29.21 91.05,29.43 arc(91.12,29.46) 91.19,29.43 91.23,29.39 arc(91.26,29.32) 91.23,29.25 91.01,29.03 arc(90.98,28.96) 91.01,28.89 91.05,28.85 arc(91.12,28.82) 91.19,28.85 91.41,29.07 arc(91.48,29.1) 91.56,29.07 91.59,29.03 arc(91.62,28.96) 91.59,28.88 91.26,28.55 arc(91.24,28.5) 91.26,28.46 91.35,28.37 arc(91.39,28.35) 91.44,28.37 91.76,28.69 arc(91.83,28.72) 91.9,28.69 91.94,28.65 arc(91.97,28.58) 91.94,28.5 91.74,28.31 arc(91.71,28.23) 91.74,28.16 92.7,27.2 92.7,26 v1(93.6,25.1)
DDR3_D9: length 21.1
  Top w0.14: U2.C3 v1(90.4,25.9) ; U1.M1 85.5,35.1 85.94,34.66 arc(85.96,34.61) 85.94,34.56 arc(85.92,34.51) 85.94,34.46 86.04,34.36 arc(86.09,34.34) 86.14,34.36 86.34,34.57 arc(86.42,34.6) 86.49,34.57 86.53,34.53 arc(86.56,34.46) 86.53,34.38 86.45,34.3 arc(86.42,34.23) 86.45,34.15 86.49,34.11 arc(86.56,34.08) 86.64,34.11 86.72,34.19 arc(86.79,34.22) 86.87,34.19 86.91,34.15 arc(86.94,34.08) 86.91,34 86.69,33.79 arc(86.67,33.73) 86.69,33.67 86.77,33.6 arc(86.82,33.58) 86.88,33.6 87.1,33.81 arc(87.17,33.84) 87.25,33.81 87.28,33.78 arc(87.32,33.7) 87.28,33.62 87.21,33.55 arc(87.17,33.47) 87.21,33.39 88.7,31.9 v1(88.7,31.85)
  In5.Cu w0.13: v1(90.4,25.9) 90.01,26.29 90.01,26.85 89.76,27.09 89.44,27.09 89.21,27.32 89.21,27.69 88.7,28.2 88.7,28.54 arc(88.67,28.62) 88.59,28.65 88.52,28.65 arc(88.45,28.68) 88.42,28.75 88.42,28.8 arc(88.45,28.87) 88.52,28.9 88.59,28.9 arc(88.67,28.93) 88.7,29.01 88.7,29.06 arc(88.67,29.13) 88.59,29.16 88.52,29.16 arc(88.45,29.19) 88.42,29.26 88.42,29.32 arc(88.45,29.39) 88.52,29.42 88.59,29.42 arc(88.67,29.45) 88.7,29.52 88.7,29.57 arc(88.67,29.65) 88.59,29.68 88.52,29.68 arc(88.45,29.71) 88.42,29.78 88.42,29.83 arc(88.45,29.9) 88.52,29.93 88.92,29.93 arc(89,29.96) 89.03,30.04 89.03,30.09 arc(89,30.16) 88.92,30.19 88.52,30.19 arc(88.45,30.22) 88.42,30.29 88.42,30.34 arc(88.45,30.42) 88.52,30.45 89.17,30.45 arc(89.25,30.48) 89.28,30.55 89.28,30.6 arc(89.25,30.67) 89.17,30.7 88.52,30.7 arc(88.45,30.73) 88.42,30.81 88.42,30.86 arc(88.45,30.93) 88.52,30.96 88.59,30.96 arc(88.67,30.99) 88.7,31.06 v1(88.7,31.85)
DDR3_D10: length 22.5
  Top w0.14: U2.C8 v1(94.4,25.9) ; U1.N2 v1(86.7,38.9)
  In2.Cu w0.13: v1(86.7,38.9) 86.7,34.4 87.1,34 arc(87.13,33.93) 87.1,33.86 86.89,33.65 arc(86.86,33.58) 86.89,33.5 86.93,33.47 arc(87,33.44) 87.07,33.47 87.28,33.68 arc(87.35,33.71) 87.42,33.68 87.46,33.64 arc(87.49,33.57) 87.46,33.49 87.25,33.29 arc(87.22,33.21) 87.25,33.14 87.29,33.1 arc(87.36,33.07) 87.43,33.1 87.64,33.31 arc(87.72,33.34) 87.79,33.31 87.82,33.28 arc(87.85,33.2) 87.82,33.13 87.62,32.92 arc(87.59,32.85) 87.62,32.78 87.65,32.74 arc(87.73,32.71) 87.8,32.74 88.01,32.95 arc(88.08,32.98) 88.15,32.95 88.19,32.91 arc(88.22,32.84) 88.19,32.77 87.98,32.56 arc(87.95,32.49) 87.98,32.41 88.02,32.38 arc(88.09,32.35) 88.16,32.38 88.37,32.59 arc(88.44,32.62) 88.51,32.59 88.55,32.55 arc(88.57,32.5) 88.55,32.46 arc(88.53,32.41) 88.55,32.37 88.64,32.28 arc(88.69,32.26) 88.73,32.28 arc(88.78,32.29) 88.82,32.28 89.13,31.97 arc(89.16,31.91) 89.13,31.85 arc(89.11,31.79) 89.13,31.73 89.19,31.67 arc(89.25,31.64) 89.31,31.67 arc(89.37,31.69) 89.43,31.67 89.93,31.17 arc(89.96,31.1) 89.93,31.03 89.73,30.83 arc(89.7,30.75) 89.73,30.68 89.77,30.65 arc(89.84,30.62) 89.91,30.65 90.11,30.84 arc(90.18,30.87) 90.26,30.84 90.29,30.81 arc(90.32,30.73) 90.29,30.66 90.09,30.46 arc(90.06,30.39) 90.09,30.32 90.13,30.28 arc(90.2,30.25) 90.28,30.28 90.47,30.48 arc(90.55,30.51) 90.62,30.48 93.2,27.9 93.2,27.1 v1(94.4,25.9)
